# KiCad board Leopold Replacement.kicad_pcb (continued)
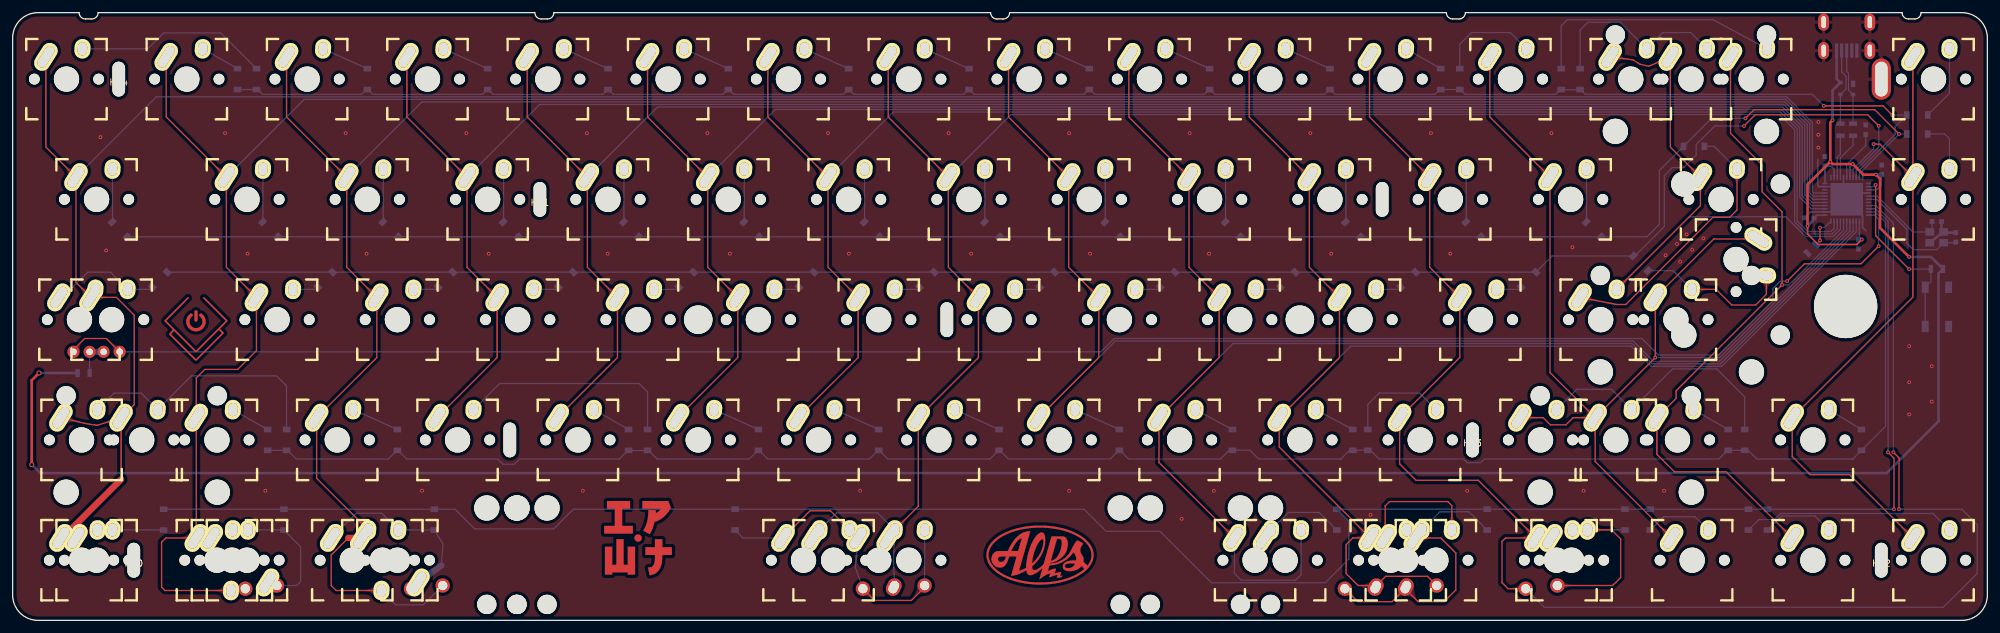
[diagram p0: board, top side]
## Routing (per net, layer and track width the routed paths; a pad name or vN(x,y) marks a point on that pad's centre or on a via; arc(x,y) is an arc through that point)
+5V: length 441.4
  Top w0.25: v1(283.56,62.34) 283.56,61.07 285.23,59.41 291.35,59.41 v1(292.13,60.19)
  Top w0.4: v2(4.16,39.09) 3.02,37.95 v2(3.02,24.61) ; v1(287.15,72.48) 287.51,72.12 v1(290.71,72.12) 292.39,70.45 v1(294.37,70.45) 295.02,69.8 295.02,62.03 v1(299.61,57.44) ; v1(287.15,72.48) 283.56,68.89 v1(283.56,62.34) ; v1(287.15,72.48) 287.15,78.68 v1(287.51,79.03)
  Bottom w0.25: v1(290.71,72.12) 290.25,71.66 U2.7 ; U2.2 287.75,71.32 287.28,71.8 286.52,71.8 ; v1(292.13,60.19) 291.47,60.19 ; U2.34 285.02,64.05 284.51,63.54 ; U2.24 291.75,60.21 ; U2.14 294.47,68.05 295.19,68.77 295.19,70.45 ; U2.44 286.31,71.79
  Bottom w0.4: v2(4.16,39.09) 9.94,39.09 ; v1(294.37,70.45) 295.19,70.45 ; v1(287.15,72.48) 286.39,71.72 ; v1(299.61,57.44) 303.06,57.44 R5.1 304.26,54.86 304.26,31.47 296.07,23.28 4.35,23.28 v2(3.02,24.61) ; J1.1 288.15,85.6 U1.4 287.51,83.76 v1(287.51,79.03) ; 284.6,63.38 v1(283.56,62.34)
GND: length 36.6
  Bottom w0.25: U2.15 290.75,67.55 U2.45 ; U2.45 287.75,68.55 U2.43 285.34,68.55 285.17,68.72 285.17,72.89 ; U2.45 289.25,67.05 U2.5 ; U2.45 287.75,64.55 U2.35 284,64.55 283.24,63.79 ; U2.45 292.25,64.05 U2.23 292.25,62.1 292.77,61.58
  Bottom w0.4: C2.2 305.17,61.29 ; C3.2 304.72,61.74 ; Y1.2 304.83,61.25
  vias: v1(13.88,76.37) v1(14.76,58.46) v1(33.56,77) v1(37.12,57.95) v1(39.91,20.49) v1(52.61,77) v1(55.91,57.95) v1(64.67,20.49) v1(71.66,77) v1(75.22,57.95) v1(90.08,20.49) v1(90.71,77) v1(94.01,57.95) v1(109.76,77) v1(113.32,57.95) v1(128.81,77) v1(132.11,57.95) v1(133.89,20.49) v1(147.86,77) v1(151.42,57.95) v1(166.91,77) v1(166.91,20.49) v1(170.21,57.95) v1(184.69,16.04) v1(185.96,77) v1(189.01,57.95) v1(189.77,20.49) v1(205.01,77) v1(208.31,57.95) v1(214.53,16.68) v1(224.06,77) v1(227.11,57.95) v1(229.78,20.49) v1(243.11,77) v1(246.41,58.97) v1(248.19,20.49) v1(260.89,20.49) v1(261.14,57.7) v1(262.92,59.47) v1(263.43,56.68) v1(264.45,61) v1(265.33,58.59) v1(267.11,60.36) v1(285.27,78.78) v1(285.27,76.75) v1(285.27,74.71) v1(297.06,71.92) v1(299.62,43.35) v1(299.62,37.63) v1(299.62,32.55) v1(303.18,40.17) v1(303.18,34.58)
Col0: length 393
  Top w0.2: 5.25,89.07 5.25,74.81 MX2.1 10,53.42 MX3.1 16.4,51.05 19.21,48.23 19.21,34.11 MX4.1 ; MX4.1 13.34,30.82 11.41,31.13 MX58.1 ; MX4.1 17.13,22.28
  Top w1: 17.13,22.28 7.88,13.03
  Bottom w0.2: U2.41 284.5,67.55 284.32,67.73 284.32,78.7 280.28,82.74 22.69,82.74 MX2.1
Col1: length 383.4
  Top w0.2: MX91.2 24.06,4.72 23.53,5.25 23.53,12.36 24.2,13.03 MX67.1 MX8.1 29.01,38.32 30.36,39.66 35.54,39.66 38.52,42.64 MX7.1 33.77,55.8 MX6.1 24.26,79.56 24.26,89.07
  Bottom w0.2: MX6.1 46.05,82.34 280.11,82.34 283.92,78.53 283.92,67.56 284.43,67.05 U2.40
Col2: length 370.2
  Top w0.2: MX93.2 51.11,4.72 50.32,5.5 50.32,10.33 53.02,13.03 ; MX68.2 48.02,22.45 MX12.1 57.53,41.54 MX11.1 52.77,55.8 MX10.1 43.27,79.56 43.27,89.07
  Top w1: 53.02,13.03 MX66.1
  Bottom w0.2: U2.39 284.37,66.55 283.52,67.39 283.52,78.37 279.95,81.94 64.66,81.94 MX10.1 ; MX93.2 60.53,2.45 64.88,2.45 MX92.1
Col3: length 299
  Top w0.2: 62.28,89.07 62.28,79.56 71.78,70.06 71.78,55.8 MX15.1 76.54,41.54 MX16.1
  Bottom w0.2: 71.78,70.06 83.27,81.54 279.78,81.54 283.12,78.2 283.12,67.23 284.3,66.05 U2.38
Col4: length 279.9
  Top w0.2: 81.29,89.07 81.29,79.56 MX18.1 90.8,55.8 MX19.1 95.55,41.54 MX20.1
  Bottom w0.2: U2.37 284.23,65.55 282.72,67.06 282.72,78.04 279.62,81.14 101.88,81.14 MX18.1
Col5: length 260.7
  Top w0.2: MX24.1 114.56,41.54 MX23.1 109.81,55.8 MX22.1 100.3,79.56 100.3,89.07
  Bottom w0.2: MX22.1 120.49,80.74 279.45,80.74 282.32,77.87 282.32,66.9 284.17,65.05 U2.36
Col6: length 247.8
  Top w0.2: 119.31,89.07 119.31,79.56 MX26.1 128.81,55.8 MX27.1 133.57,41.54 MX28.1
  Bottom w0.2: U2.32 287.75,61.96 287.26,61.47 283.59,61.47 281.92,63.13 281.92,77.7 279.29,80.34 139.1,80.34 MX26.1
Col7: length 271.5
  Top w0.2: MX86.2 143.07,18.03 MX32.1 152.58,41.54 MX31.1 147.82,55.8 147.82,70.06 138.32,79.56 138.32,89.07
  Bottom w0.2: U2.31 288.25,61.89 287.42,61.07 283.42,61.07 281.52,62.97 281.52,77.54 279.12,79.94 157.71,79.94 147.82,70.06 ; MX83.2 130.16,16.99 136.64,16.99 MX86.2 139.16,9.37 139.34,5.53 MX85.1
Col8: length 211.5
  Top w0.2: 157.33,89.07 157.33,79.56 MX34.1 166.84,55.8 MX35.1 171.59,41.54 MX36.1
  Bottom w0.2: U2.27 290.25,61.54 269.65,40.94 259.22,40.94 256.01,44.15 174.2,44.15 MX36.1
Col9: length 241
  Top w0.2: 176.34,89.07 176.34,79.56 MX38.1 185.84,55.8 MX39.1 190.6,41.54 MX40.1 181.09,24.96 MX77.1
  Bottom w0.2: MX40.1 192.81,43.75 255.85,43.75 259.06,40.54 269.82,40.54 290.75,61.48 U2.26 ; MX77.1 193.02,7.41 194.09,6.34 202.68,6.34 203.55,7.22 MX79.2
Col10: length 244.6
  Top w0.2: MX69.1 223.51,6.96 216.92,6.96 MX71.1 212.56,5.51 210.66,7.4 210.66,11.98 211.71,13.03 MX72.1 200.1,27.38 MX44.1 209.61,41.54 MX43.1 204.85,55.8 MX42.1 195.35,79.56 195.35,89.07 ; MX80.2 227.36,18.13 226.73,18.77 217.52,18.77 216.84,18.09 MX78.1
  Bottom w0.2: MX44.1 211.42,43.35 255.68,43.35 258.89,40.14 269.98,40.14 291.25,61.41 U2.25
Col11: length 263.3
  Top w0.2: MX70.2 236.24,5.01 235.3,5.94 235.3,12.48 235.84,13.03 MX84.1 231.54,22.14 221.71,22.14 219.11,24.73 MX48.1 228.62,41.54 MX47.1 223.87,55.8 MX46.1 214.36,79.56 214.36,89.07 ; v1(298.01,17.57) 298.01,25.68 v1(297.12,26.57)
  Bottom w0.2: v1(298.01,17.57) 307.94,17.57 310.36,15.15 310.36,7.4 305.02,2.07 241.96,2.07 MX70.2 ; U2.19 294.36,65.55 297.12,62.79 v1(297.12,26.57)
Col12: length 183.9
  Top w0.2: MX52.1 v1(259.51,41.54) MX51.1 268.75,60.29 MX64.1 ; MX52.1 246.52,32.04 245.39,30.9 242.94,30.9 241.8,32.04 MX89.1 ; MX52.1 242.88,39.16 MX50.1 233.37,79.56 233.37,89.07 ; MX52.1 250,25.11 MX74.1
  Bottom w0.2: U2.28 289.75,61.61 269.68,41.54 v1(259.51,41.54)
Col13: length 97.5
  Top w0.2: MX65.2 266.64,65.55 MX54.1 261.88,74.81 261.88,89.07 258.45,87.57 257.03,87.92 256.01,88.58 252.38,89.07
  Bottom w0.2: MX65.2 264.88,63.79 280.13,63.79 283.26,60.67 287.59,60.67 288.75,61.83 U2.30
Col14: length 116
  Top w0.2: 271.39,89.07 271.39,76.98 276.38,71.98 276.38,67.73 279.53,64.58 v1(279.53,53.02) 262.8,36.28 262.8,35.07 MX60.1 259.76,26.25 262.54,23.47 270.7,23.47 MX75.1
  Bottom w0.2: v1(279.53,53.02) 280.6,53.02 289.25,61.67 U2.29
Col15: length 110.4
  Top w0.2: v1(294,75.27) 294.99,75.27 MX62.1 ; MX76.1 290.2,23.03 284,23.03 281.14,25.88 MX56.1 300.2,51.1 MX62.1 ; 300.2,89.07 MX62.1
  Bottom w0.2: U2.8 290.75,71.3 294,74.55 v1(294,75.27)
D+: length 7.4
  Bottom w0.2: R3.1 290.75,75.1 288.75,73.1 U2.4
D-: length 6.8
  Bottom w0.2: R4.1 288.75,73.67 288.25,73.17 U2.3
Row0: length 285.8
  Top w0.2: v1(296.93,79.87) 295.49,81.32 v1(286.13,81.32)
  Bottom w0.2: v1(296.93,79.87) D61.1 297.4,78.03 297.4,76.82 291.75,71.17 U2.10 ; D5.1 38.76,83.9 39.51,83.14 55.14,83.14 56.01,84.01 56.88,83.14 74.24,83.14 75.06,83.96 75.88,83.14 93.24,83.14 94.06,83.96 94.88,83.14 112.24,83.14 113.06,83.96 113.88,83.14 131.24,83.14 132.05,83.96 132.87,83.14 150.24,83.14 151.06,83.96 151.88,83.14 169.24,83.14 170.11,84.01 170.98,83.14 188.29,83.14 189.11,83.96 189.93,83.14 207.29,83.14 208.11,83.96 208.93,83.14 224.66,83.14 225.43,83.91 228.68,83.91 229.45,83.14 243.76,83.14 244.48,83.86 247.73,83.86 248.45,83.14 284.31,83.14 v1(286.13,81.32)
Row1: length 305.4
  Top w0.2: v1(298.02,76.87) 294.18,80.72 275.12,80.72 v1(273.74,79.34)
  Bottom w0.2: v1(273.74,79.34) 268.39,79.34 D54.1 260.14,71.09 260.14,62.59 258.17,60.62 D2.1 ; D62.1 v1(298.02,76.87) 292.25,71.1 U2.11
Row2: length 296.7
  Top w0.2: v1(273.53,78.14) 275.31,79.92 293.05,79.92 v1(294.81,78.15)
  Bottom w0.2: D3.1 D47.1 243.21,57.59 D51.1 ; v1(294.81,78.15) 294.81,74.8 291.25,71.23 U2.9 ; 256.17,57.48 260.94,62.25 260.94,70.29 262.21,71.56 263.99,71.56 265.97,73.55 265.97,75.21 268.9,78.14 v1(273.53,78.14)
Row3: length 305.9
  Bottom w0.2: U2.21 294.23,64.55 295.88,62.89 295.88,30.67 D56.1 290.72,25.5 275.56,25.5 274.19,26.87 270.89,26.87 269.53,25.5 232.51,25.5 231.93,24.93 229.78,24.93 229.2,25.5 215.87,25.5 214.47,26.9 211.23,26.9 209.84,25.5 196.86,25.5 195.46,26.9 192.22,26.9 190.83,25.5 176.31,25.5 174.85,26.96 173.39,25.5 157.32,25.5 155.86,26.96 154.4,25.5 138.27,25.5 136.81,26.96 135.35,25.5 119.28,25.5 117.82,26.96 116.36,25.5 101.82,25.5 100.49,26.84 97.19,26.84 95.85,25.5 80.11,25.5 79.28,24.68 77.44,24.68 76.61,25.5 62.26,25.5 60.8,26.96 59.34,25.5 44.8,25.5 43.44,26.87 40.07,26.87
Row4: length 342.7
  Top w0.2: v1(297.21,17.56) 297.21,25.63 v1(296.28,26.56)
  Bottom w0.2: D59.1 69.88,17.56 72.99,14.45 85.47,14.45 88.58,17.56 169.26,17.56 172.75,14.07 181.26,14.07 189.39,5.94 207.36,5.94 211.11,9.69 211.11,15.65 D67.1 v1(297.21,17.56) ; v1(296.28,26.56) 296.28,63.06 294.29,65.05 U2.20
RST: length 29.5
  Top w0.2: v1(294.32,68.82) 294.32,60.8 v1(299.61,55.51)
  Bottom w0.2: v1(299.61,55.51) 302.9,55.51 ; R5.2 303.05,53.55 SW1.2 SW1.2 ; U2.13 294.05,68.55 v1(294.32,68.82)
Net-(C2-Pad1): length 18.6
  Bottom w0.2: 306.77,59.69 Y1.1 303.96,58.59 300.26,58.59 299.24,59.6 299.24,61.79 294.49,66.55 U2.17
Net-(C3-Pad1): length 13.3
  Bottom w0.2: Y1.3 300.21,61.39 294.55,67.05 U2.16 ; C3.1 303.22,61.74
Net-(C6-Pad1): length 8.1
  Bottom w0.2: C6.1 292.75,75.05 289.75,72.05 U2.6
Net-(D1-Pad2): length 30.9
  Bottom w0.2: D1.2 32.87,92.85 23.86,92.85 21.34,90.34 MX1.2
Net-(D2-Pad2): length 8.3
  Bottom w0.2: MX2.2 15.78,63.03
Net-(D3-Pad2): length 17
  Bottom w0.2: 22.08,52.32 MX3.2 15.44,55.03 11.86,55.03 7.88,51.05
Net-(D4-Pad2): length 41.8
  Bottom w0.2: MX58.2 16.01,35.92 20.3,35.92 MX4.2 28.25,38.65 41.69,38.65 43.27,37.06 D4.2
Net-(D5-Pad2): length 6.3
  Bottom w0.2: 30.03,90.34 D5.2
Net-(D6-Pad2): length 8.3
  Bottom w0.2: MX6.2 39.54,63.04
Net-(D7-Pad2): length 4.1
  Bottom w0.2: MX7.2 48.36,52.32
Net-(D8-Pad2): length 6.3
  Bottom w0.2: MX8.2 D8.2
Net-(D9-Pad2): length 7.7
  Bottom w0.2: D9.2 MX9.2
Net-(D10-Pad2): length 8.2
  Bottom w0.2: MX10.2 58.55,63.13
Net-(D11-Pad2): length 3.9
  Bottom w0.2: MX11.2 67.19,52.32
Net-(D12-Pad2): length 7.7
  Bottom w0.2: D12.2 MX12.2
Net-(D13-Pad2): length 7.7
  Bottom w0.2: D13.2 68.06,90.34
Net-(D14-Pad2): length 8.2
  Bottom w0.2: MX14.2 77.56,63.09
Net-(D15-Pad2): length 4.1
  Bottom w0.2: MX15.2 86.39,52.32
Net-(D16-Pad2): length 35.7
  Bottom w0.2: D16.2 100.3,36.1 98.97,37.44 76.94,37.44 MX16.2
Net-(D17-Pad2): length 7.7
  Bottom w0.2: D17.2 MX17.2
Net-(D18-Pad2): length 8
  Bottom w0.2: MX18.2 96.57,63.3
Net-(D19-Pad2): length 4
  Bottom w0.2: MX19.2 105.36,52.32
Net-(D20-Pad2): length 6.3
  Bottom w0.2: D20.2 MX20.2
Net-(D21-Pad2): length 7.7
  Bottom w0.2: D21.2 MX21.2
Net-(D22-Pad2): length 8.3
  Bottom w0.2: MX22.2 115.58,63.01
Net-(D23-Pad2): length 4.1
  Bottom w0.2: MX23.2 124.39,52.32
Net-(D24-Pad2): length 7.7
  Bottom w0.2: D24.2 MX24.2
Net-(D25-Pad2): length 7.7
  Bottom w0.2: D25.2 MX25.2
Net-(D26-Pad2): length 8.2
  Bottom w0.2: MX26.2 134.59,63.1
Net-(D27-Pad2): length 4
  Bottom w0.2: MX27.2 143.34,52.32
Net-(D28-Pad2): length 7.7
  Bottom w0.2: D28.2 MX28.2
Net-(D29-Pad2): length 7.7
  Bottom w0.2: D29.2 MX29.2
Net-(D30-Pad2): length 8
  Bottom w0.2: MX30.2 153.6,63.31
Net-(D31-Pad2): length 4.1
  Bottom w0.2: MX31.2 162.49,52.32
Net-(D32-Pad2): length 7.7
  Bottom w0.2: D32.2 MX32.2
Net-(D33-Pad2): length 7.7
  Bottom w0.2: D33.2 163.1,90.34
Net-(D34-Pad2): length 8.2
  Bottom w0.2: MX34.2 172.61,63.14
Net-(D35-Pad2): length 4
  Bottom w0.2: MX35.2 181.38,52.32
Net-(D36-Pad2): length 7.7
  Bottom w0.2: D36.2 MX36.2
Net-(D37-Pad2): length 7.7
  Bottom w0.2: D37.2 MX37.2
Net-(D38-Pad2): length 8.2
  Bottom w0.2: MX38.2 191.62,63.1
Net-(D39-Pad2): length 4
  Bottom w0.2: MX39.2 200.33,52.32
Net-(D40-Pad2): length 6.6
  Bottom w0.2: 192.67,30.17 MX40.2
Net-(D41-Pad2): length 7.7
  Bottom w0.2: D41.2 MX41.2
Net-(D42-Pad2): length 8.1
  Bottom w0.2: MX42.2 210.63,63.19
Net-(D43-Pad2): length 4.1
  Bottom w0.2: MX43.2 219.48,52.32
Net-(D44-Pad2): length 6.6
  Bottom w0.2: D44.2 MX44.2
Net-(D45-Pad2): length 6.3
  Bottom w0.2: MX45.2 D45.2
Net-(D46-Pad2): length 8
  Bottom w0.2: MX46.2 229.64,63.28
Net-(D47-Pad2): length 4.1
  Bottom w0.2: MX47.2 238.53,52.32
Net-(D48-Pad2): length 16.6
  Bottom w0.2: D48.2 214.1,34.14 215.88,35.92 222.27,35.92 MX48.2
Net-(D49-Pad2): length 16.2
  Bottom w0.2: MX49.2 236.58,92.9 230.46,92.9 228.62,91.06 D49.2
Net-(D50-Pad2): length 8.3
  Bottom w0.2: MX50.2 248.65,62.98
Net-(D51-Pad2): length 24.6
  Top w0.2: MX51.2 269.12,52.32 271.58,49.85 275.37,49.85 277.06,51.54 MX64.2
  Bottom w0.2: MX51.2 262.34,55.26 D51.2
Net-(D52-Pad2): length 42.1
  Bottom w0.2: D52.2 273.63,35.33 269.22,39.74 262.21,39.74 MX52.2 252.57,36.52 247.11,36.52 MX89.2
Net-(D53-Pad2): length 30.5
  Bottom w0.2: 247.63,87.16 247.63,93.31 248.85,94.53 253.96,94.53 MX53.2 260.72,92.9 265.09,92.9 MX63.2
Net-(D54-Pad2): length 44.2
  Top w0.2: MX65.1 253.37,49.92 254.84,49.92 268.61,63.69 271.25,63.69 272.41,64.85 MX54.2
  Bottom w0.2: MX54.2 268.82,74.92 D54.2
Net-(D55-Pad1): length 303.6
  Top w0.2: v1(280.34,53.62) 283.08,56.36 292.02,56.36 v1(294.8,59.14) ; D55.1 14.8,44.55 11.39,44.55 9.28,42.45
  Bottom w0.2: v1(280.34,53.62) 279.25,53.62 278.07,52.44 278.07,50.49 269.53,41.95 259.99,41.95 257.39,44.55 174.03,44.55 171.93,42.45 D55.1 ; v1(294.8,59.14) 294.8,63.41 294.16,64.05 U2.22
Net-(D55-Pad2): length 5.4
  Bottom w0.2: D71.2 12.15,39.23
  Bottom w1: D71.2 D55.2
Net-(D56-Pad2): length 6
  Bottom w0.2: D56.2 MX56.2
Net-(D57-Pad2): length 40.9
  Bottom w0.2: D57.2 244.63,93.96 245.59,94.93 268.67,94.93 MX57.2
Net-(D58-Pad2): length 6.3
  Bottom w0.2: D58.2 MX60.2
Net-(D59-Pad2): length 8.2
  Bottom w0.2: MX88.2 23.94,14.3
Net-(D60-Pad2): length 18.5
  Bottom w0.2: D60.2 45.5,11.62 45.5,6.13 44.87,5.51 MX90.1 ; MX59.2 42.48,14.3
Net-(D61-Pad2): length 11.9
  Bottom w0.2: D61.2 305.98,83.31 MX61.2
Net-(D62-Pad2): length 8.5
  Bottom w0.2: MX62.2 305.98,76.11 305.21,76.87 D62.2
Net-(D63-Pad2): length 29
  Bottom w0.2: 67.72,8.67 67.98,12.1 D63.2 ; MX68.1 54.3,16.93 58.29,16.93 MX66.2 66.17,14.3
  Bottom w1: MX93.1 67.72,8.67
Net-(D64-Pad2): length 10.9
  Bottom w0.2: MX74.2 265.8,16.36 260.81,16.36 D64.2
Net-(D65-Pad2): length 11.5
  Bottom w0.2: D65.2 279.45,16.48 284.73,16.48 MX75.2
Net-(D66-Pad2): length 33.9
  Bottom w0.2: MX76.2 303.39,16.88 279.28,16.88 278.33,15.93 275.9,15.93 D66.2
Net-(D67-Pad2): length 12.7
  Bottom w0.2: MX77.2 201.56,17.06 206.4,17.06 D67.2
Net-(D68-Pad2): length 46.8
  Top w0.2: MX71.2 212.51,2.96 217.92,2.96 MX69.2 222.01,2.96 226.16,2.96 228,4.8 228,10.64 225.61,13.03 MX80.1
  Bottom w0.2: D68.2 230.05,17.16 225.48,17.16 MX78.2
Net-(D69-Pad2): length 28.3
  Top w0.2: MX70.1 252.77,5.51 254.03,6.77 254.03,12.87 252.6,14.3 MX81.2
  Bottom w0.2: MX81.2 254.7,14.3
Net-(D70-Pad2): length 49.7
  Top w0.2: MX85.2 136.18,3.15 141.97,3.15 143.83,5.01 ; MX82.2 129.2,17.31 125.97,17.31 MX83.1
  Bottom w0.2: MX85.2 133.13,8.39 MX86.1 ; MX94.2 MX73.1 ; MX83.1 115.38,13.03 D70.2
Net-(J1-Pad2): length 12.1
  Bottom w0.2: J1.2 288.95,86.7 289.64,86.01 289.64,83.99 U1.3 ; 288.75,83.02 R4.2
Net-(J1-Pad3): length 12.1
  Bottom w0.2: J1.3 289.75,86.75 290.04,86.46 290.04,83.81 U1.2 ; 290.75,83.21 R3.2
Net-(R6-Pad2): length 5.1
  Top w0.2: v1(285.53,60.03) v1(285.53,62.07)
  Bottom w0.2: R6.2 v1(285.53,60.03) ; v1(285.53,62.07) 286.2,62.07 U2.33

## Copper pours and planes (outline as drawn; the poured copper is in the pictures)
GND on Top: 325.86,-11.29 -7.49,-11.29 -7.49,100.11 325.86,100.11
GND on Bottom: 325.86,-11.29 -7.49,-11.29 -7.49,100.11 325.86,100.11
Col0 on Top: 5.35,86.29 6.12,88.17 5.25,89.69 4.38,88.17 5.15,86.29
Col0 on Top: 15.16,51.15 13.27,51.92 11.75,51.05 13.27,50.17 15.16,50.95
Col0 on Top: 19.02,34.07 17.14,33.29 16.69,31.59 18.38,32.05 19.17,33.93
Col0 on Top: 17.23,29.26 18.01,31.14 17.13,32.66 16.26,31.14 17.03,29.26
Col0 on Top: 9.29,15.15 7.64,14.28 7.18,12.58 8.88,13.04 10,14.44
Col0 on Top: 10.35,31.49 8.7,32.68 7.02,32.18 8.29,30.98 10.3,31.29
Col0 on Top: 14.52,31.09 16.55,30.93 17.73,32.23 16.01,32.6 14.46,31.28
Col0 on Top: 10.1,67.28 10.88,69.16 10,70.68 9.13,69.16 9.9,67.28
Col0 on Top: 10.34,52.94 11.13,51.06 12.82,50.6 12.37,52.3 10.49,53.08
Col0 on Top: 7.97,71.95 8.75,70.07 10.44,69.61 9.99,71.31 8.11,72.09
Col0 on Bottom: 11.89,72.09 10.02,71.31 9.56,69.61 11.25,70.07 12.04,71.95
Col1 on Top: 26.24,12.93 28.12,12.15 29.64,13.03 28.12,13.9 26.24,13.13
Col1 on Top: 31.72,4.62 33.61,3.84 35.12,4.72 33.61,5.59 31.72,4.82
Col1 on Top: 29.11,29.26 29.89,31.14 29.01,32.66 28.14,31.14 28.91,29.26
Col1 on Top: 28.91,15.8 28.14,13.92 29.01,12.4 29.89,13.92 29.11,15.8
Col1 on Top: 28.91,34.81 28.14,32.93 29.01,31.41 29.89,32.93 29.11,34.81
Col1 on Top: 38.62,48.27 39.39,50.15 38.52,51.67 37.64,50.15 38.42,48.27
Col1 on Top: 33.87,67.28 34.64,69.16 33.77,70.68 32.89,69.16 33.66,67.28
Col1 on Top: 36.48,52.94 37.27,51.06 38.96,50.6 38.51,52.3 36.63,53.08
Col1 on Top: 24.36,86.29 25.14,88.17 24.26,89.69 23.39,88.17 24.16,86.29
Col1 on Top: 31.73,71.95 32.52,70.07 34.21,69.61 33.75,71.31 31.87,72.09
Col1 on Bottom: 35.66,72.09 33.78,71.31 33.32,69.61 35.01,70.07 35.8,71.95
Col2 on Top: 55.49,4.62 57.37,3.84 58.89,4.72 57.37,5.59 55.49,4.82
Col2 on Top: 48.12,29.26 48.9,31.14 48.02,32.66 47.15,31.14 47.92,29.26
Col2 on Top: 54.14,16.19 54.92,14.31 56.62,13.85 56.16,15.55 54.28,16.33
Col2 on Top: 57.63,48.27 58.4,50.15 57.53,51.67 56.65,50.15 57.43,48.27
Col2 on Top: 49.91,34.07 48.03,33.29 47.58,31.59 49.27,32.05 50.06,33.93
Col2 on Top: 52.88,67.28 53.65,69.16 52.77,70.68 51.9,69.16 52.67,67.28
Col2 on Top: 55.49,52.94 56.28,51.06 57.97,50.6 57.52,52.3 55.64,53.08
Col2 on Top: 43.37,86.29 44.15,88.17 43.27,89.69 42.4,88.17 43.17,86.29
Col2 on Top: 50.74,71.95 51.53,70.07 53.22,69.61 52.76,71.31 50.88,72.09
Col2 on Bottom: 60.3,2.82 59.51,4.7 57.82,5.16 58.27,3.47 60.15,2.68
Col2 on Bottom: 66.26,3.68 67.92,4.38 68.33,5.9 66.81,5.49 66.11,3.83
Col2 on Bottom: 54.67,72.09 52.79,71.31 52.33,69.61 54.02,70.07 54.81,71.95
Col3 on Top: 62.38,86.29 63.16,88.17 62.28,89.69 61.41,88.17 62.18,86.29
Col3 on Top: 69.75,71.95 70.54,70.07 72.23,69.61 71.77,71.31 69.89,72.09
Col3 on Top: 76.64,48.27 77.41,50.15 76.54,51.67 75.66,50.15 76.44,48.27
Col3 on Top: 68.92,34.07 67.05,33.29 66.59,31.59 68.28,32.05 69.07,33.93
Col3 on Top: 71.89,67.28 72.66,69.16 71.78,70.68 70.91,69.16 71.69,67.28
Col3 on Top: 74.5,52.94 75.29,51.06 76.98,50.6 76.53,52.3 74.65,53.08
Col3 on Bottom: 73.68,72.09 71.8,71.31 71.34,69.61 73.03,70.07 73.82,71.95
Col4 on Top: 95.65,48.27 96.42,50.15 95.55,51.67 94.67,50.15 95.45,48.27
Col4 on Top: 87.93,34.07 86.06,33.29 85.6,31.59 87.29,32.05 88.08,33.93
Col4 on Top: 90.89,67.28 91.67,69.16 90.8,70.68 89.92,69.16 90.69,67.28
Col4 on Top: 93.51,52.94 94.3,51.06 95.99,50.6 95.53,52.3 93.66,53.08
Col4 on Top: 81.39,86.29 82.17,88.17 81.29,89.69 80.42,88.17 81.19,86.29
Col4 on Top: 88.76,71.95 89.55,70.07 91.24,69.61 90.78,71.31 88.9,72.09
Col4 on Bottom: 92.69,72.09 90.81,71.31 90.35,69.61 92.04,70.07 92.83,71.95
Col5 on Top: 100.4,86.29 101.17,88.17 100.3,89.69 99.42,88.17 100.2,86.29
Col5 on Top: 107.77,71.95 108.56,70.07 110.25,69.61 109.79,71.31 107.91,72.09
Col5 on Top: 114.66,48.27 115.43,50.15 114.56,51.67 113.68,50.15 114.46,48.27
Col5 on Top: 106.94,34.07 105.06,33.29 104.61,31.59 106.3,32.05 107.09,33.93
Col5 on Top: 109.91,67.28 110.68,69.16 109.81,70.68 108.93,69.16 109.7,67.28
Col5 on Top: 112.52,52.94 113.31,51.06 115,50.6 114.55,52.3 112.67,53.08
Col5 on Bottom: 111.7,72.09 109.82,71.31 109.36,69.61 111.05,70.07 111.84,71.95
Col6 on Top: 119.41,86.29 120.19,88.17 119.31,89.69 118.44,88.17 119.21,86.29
Col6 on Top: 126.78,71.95 127.57,70.07 129.26,69.61 128.8,71.31 126.92,72.09
Col6 on Top: 128.91,67.28 129.69,69.16 128.81,70.68 127.94,69.16 128.72,67.28
Col6 on Top: 131.53,52.94 132.32,51.06 134.01,50.6 133.56,52.3 131.68,53.08
Col6 on Top: 133.67,48.27 134.44,50.15 133.57,51.67 132.69,50.15 133.47,48.27
Col6 on Top: 125.95,34.07 124.08,33.29 123.62,31.59 125.31,32.05 126.1,33.93
Col6 on Bottom: 130.71,72.09 128.83,71.31 128.37,69.61 130.06,70.07 130.85,71.95
Col7 on Top: 143.17,29.26 143.95,31.14 143.07,32.66 142.2,31.14 142.97,29.26
Col7 on Top: 141.23,16.33 139.35,15.55 138.9,13.85 140.59,14.31 141.38,16.19
Col7 on Top: 152.68,48.27 153.45,50.15 152.58,51.67 151.7,50.15 152.48,48.27
Col7 on Top: 144.96,34.07 143.09,33.29 142.63,31.59 144.32,32.05 145.11,33.93
Col7 on Top: 147.93,67.28 148.7,69.16 147.82,70.68 146.95,69.16 147.72,67.28
Col7 on Top: 150.54,52.94 151.33,51.06 153.02,50.6 152.56,52.3 150.69,53.08
Col7 on Top: 138.42,86.29 139.19,88.17 138.32,89.69 137.44,88.17 138.22,86.29
Col7 on Top: 145.79,71.95 146.58,70.07 148.27,69.61 147.81,71.31 145.93,72.09
Col7 on Bottom: 139.34,11.52 140.18,13.37 139.37,14.92 138.43,13.44 139.14,11.52
Col7 on Bottom: 139.13,7.99 138.25,5.77 139.1,4.44 139.82,5.84 139.33,8
Col7 on Bottom: 139.13,7.99 138.5,6.27 139.35,4.94 140.07,6.34 139.33,8
Col7 on Bottom: 137.31,16.19 138.09,14.31 139.78,13.85 139.33,15.55 137.45,16.33
Col7 on Bottom: 129.35,16.33 127.47,15.55 127.02,13.85 128.71,14.31 129.49,16.19
Col7 on Bottom: 149.72,72.09 147.84,71.31 147.38,69.61 149.07,70.07 149.86,71.95
Col8 on Top: 171.69,48.27 172.46,50.15 171.59,51.67 170.71,50.15 171.49,48.27
Col8 on Top: 163.97,34.07 162.09,33.29 161.64,31.59 163.33,32.05 164.12,33.93
Col8 on Top: 166.94,67.28 167.71,69.16 166.84,70.68 165.96,69.16 166.74,67.28
Col8 on Top: 169.55,52.94 170.34,51.06 172.03,50.6 171.57,52.3 169.7,53.08
Col8 on Top: 157.43,86.29 158.21,88.17 157.33,89.69 156.46,88.17 157.23,86.29
Col8 on Top: 164.8,71.95 165.59,70.07 167.28,69.61 166.82,71.31 164.94,72.09
Col8 on Bottom: 163.97,34.07 162.09,33.29 161.64,31.59 163.33,32.05 164.12,33.93
Col9 on Top: 181.19,29.26 181.97,31.14 181.09,32.66 180.22,31.14 180.99,29.26
Col9 on Top: 190.99,14.92 191.77,13.04 193.47,12.58 193.01,14.28 191.13,15.06
Col9 on Top: 190.7,48.27 191.47,50.15 190.6,51.67 189.72,50.15 190.5,48.27
Col9 on Top: 182.98,34.07 181.1,33.29 180.65,31.59 182.34,32.05 183.13,33.93
Col9 on Top: 185.94,67.28 186.72,69.16 185.84,70.68 184.97,69.16 185.75,67.28
Col9 on Top: 188.56,52.94 189.35,51.06 191.04,50.6 190.59,52.3 188.71,53.08
Col9 on Top: 176.44,86.29 177.22,88.17 176.34,89.69 175.47,88.17 176.24,86.29
Col9 on Top: 183.81,71.95 184.6,70.07 186.29,69.61 185.83,71.31 183.95,72.09
Col9 on Bottom: 203.65,11.52 204.43,13.4 203.55,14.92 202.68,13.4 203.45,11.52
Col9 on Bottom: 193.12,10.25 193.9,12.13 193.02,13.65 192.15,12.13 192.92,10.25
Col9 on Bottom: 182.98,34.07 181.1,33.29 180.65,31.59 182.34,32.05 183.13,33.93
Col10 on Top: 211.71,12.93 213.57,12.15 215.08,13.03 213.57,13.9 211.71,13.13
Col10 on Top: 212.99,5.41 214.66,4.72 216.02,5.51 214.66,6.29 212.99,5.61
Col10 on Top: 212.99,5.41 214.41,4.22 215.78,5.01 214.41,5.79 212.99,5.61
Col10 on Top: 216.74,15.8 215.96,13.92 216.84,12.4 217.71,13.92 216.94,15.8
Col10 on Top: 227.26,17.07 226.49,15.19 227.36,13.67 228.24,15.19 227.46,17.07
Col10 on Top: 200.2,29.26 200.98,31.14 200.1,32.66 199.23,31.14 200,29.26
Col10 on Top: 212.43,14.92 213.21,13.04 214.9,12.58 214.45,14.28 212.57,15.06
Col10 on Top: 209.71,48.27 210.48,50.15 209.61,51.67 208.73,50.15 209.51,48.27
Col10 on Top: 201.99,34.07 200.12,33.29 199.66,31.59 201.35,32.05 202.14,33.93
Col10 on Top: 204.96,67.28 205.73,69.16 204.85,70.68 203.98,69.16 204.75,67.28
Col10 on Top: 207.57,52.94 208.36,51.06 210.05,50.6 209.59,52.3 207.72,53.08
Col10 on Top: 195.45,86.29 196.22,88.17 195.35,89.69 194.47,88.17 195.25,86.29
Col10 on Top: 202.82,71.95 203.61,70.07 205.3,69.61 204.84,71.31 202.96,72.09
Col10 on Bottom: 201.99,34.07 200.12,33.29 199.66,31.59 201.35,32.05 202.14,33.93
Col11 on Top: 237.87,12.93 239.76,12.15 241.27,13.03 239.76,13.9 237.87,13.13
Col11 on Top: 236.55,4.91 238.22,4.22 239.59,5.01 238.22,5.79 236.55,5.11
Col11 on Top: 238.62,14.92 239.4,13.04 241.09,12.58 240.64,14.28 238.76,15.06
Col11 on Top: 219.21,29.26 219.99,31.14 219.11,32.66 218.24,31.14 219.01,29.26
Col11 on Top: 228.72,48.27 229.49,50.15 228.62,51.67 227.74,50.15 228.52,48.27
Col11 on Top: 221,34.07 219.12,33.29 218.67,31.59 220.36,32.05 221.15,33.93
Col11 on Top: 223.97,67.28 224.74,69.16 223.87,70.68 222.99,69.16 223.76,67.28
Col11 on Top: 226.58,52.94 227.37,51.06 229.06,50.6 228.6,52.3 226.73,53.08
Col11 on Top: 214.46,86.29 215.24,88.17 214.36,89.69 213.49,88.17 214.26,86.29
Col11 on Top: 221.83,71.95 222.62,70.07 224.31,69.61 223.85,71.31 221.97,72.09
Col11 on Bottom: 240.85,3.33 240.15,4.99 238.63,5.4 239.04,3.88 240.71,3.18
Col12 on Top: 247.23,31.94 249.11,31.16 250.63,32.04 249.11,32.91 247.23,32.14
Col12 on Top: 240.9,32.14 239.02,32.91 237.5,32.04 239.02,31.16 240.9,31.94
Col12 on Top: 250.1,29.26 250.88,31.14 250,32.66 249.13,31.14 249.9,29.26
Col12 on Top: 260.05,14.92 260.84,13.04 262.53,12.58 262.07,14.28 260.19,15.06
Col12 on Top: 273.01,60.19 274.9,59.41 276.41,60.29 274.9,61.16 273.01,60.39
Col12 on Top: 261.4,53.08 259.52,52.3 259.07,50.6 260.76,51.06 261.54,52.94
Col12 on Top: 251.9,34.07 250.02,33.29 249.56,31.59 251.25,32.05 252.04,33.93
Col12 on Top: 242.97,67.28 243.75,69.16 242.88,70.68 242,69.16 242.78,67.28
Col12 on Top: 247.97,33.93 248.75,32.05 250.45,31.59 249.99,33.29 248.11,34.07
Col12 on Top: 259.61,48.27 260.38,50.15 259.51,51.67 258.63,50.15 259.41,48.27
Col12 on Top: 233.47,86.29 234.25,88.17 233.37,89.69 232.5,88.17 233.27,86.29
Col12 on Top: 240.84,71.95 241.63,70.07 243.32,69.61 242.86,71.31 240.98,72.09
Col13 on Top: 266.74,67.28 267.51,69.16 266.64,70.68 265.76,69.16 266.54,67.28
Col13 on Top: 255.29,54.35 253.41,53.57 252.96,51.87 254.65,52.33 255.44,54.21
Col13 on Top: 261.99,86.29 262.76,88.17 261.88,89.69 261.01,88.17 261.79,86.29
Col13 on Top: 264.6,71.95 265.39,70.07 267.08,69.61 266.62,71.31 264.74,72.09
Col13 on Top: 255.15,88.8 253.38,89.82 251.76,89.15 253.15,88.08 255.12,88.6
Col13 on Top: 259.38,87.86 261.42,87.91 262.46,89.32 260.72,89.51 259.3,88.05
Col13 on Bottom: 255.29,54.35 253.41,53.57 252.96,51.87 254.65,52.33 255.44,54.21
Col14 on Top: 279.11,14.92 279.9,13.04 281.59,12.58 281.13,14.28 279.25,15.06
Col14 on Top: 259.86,29.26 260.63,31.14 259.76,32.66 258.88,31.14 259.66,29.26
Col14 on Top: 261.65,34.07 259.77,33.29 259.32,31.59 261.01,32.05 261.79,33.93
Col14 on Top: 271.49,86.29 272.26,88.17 271.39,89.69 270.51,88.17 271.29,86.29
Col15 on Top: 298.17,71.95 298.96,70.07 300.65,69.61 300.19,71.31 298.31,72.09
Col15 on Top: 281.25,29.26 282.02,31.14 281.14,32.66 280.27,31.14 281.05,29.26
Col15 on Top: 298.17,14.92 298.96,13.04 300.65,12.58 300.19,14.28 298.31,15.06
Col15 on Top: 300.31,86.29 301.08,88.17 300.2,89.69 299.33,88.17 300.11,86.29
Col15 on Top: 300.11,72.83 299.33,70.95 300.2,69.43 301.08,70.95 300.31,72.83
Col15 on Top: 300.31,67.28 301.08,69.16 300.2,70.68 299.33,69.16 300.11,67.28
Col15 on Top: 283.04,34.07 281.16,33.29 280.7,31.59 282.39,32.05 283.18,33.93
Net-(D1-Pad2) on Bottom: 13.8,90.44 11.92,91.21 10.4,90.34 11.92,89.46 13.8,90.24
Net-(D2-Pad2) on Bottom: 15.88,68.55 16.65,70.43 15.78,71.95 14.9,70.43 15.68,68.55
Net-(D3-Pad2) on Bottom: 16.12,54.21 16.9,52.33 18.6,51.87 18.14,53.57 16.26,54.35
Net-(D3-Pad2) on Bottom: 9.77,53.08 7.31,52.3 6.86,50.6 8.55,51.06 9.91,52.94
Net-(D3-Pad2) on Bottom: 20.93,52.42 19.05,53.19 17.53,52.32 19.05,51.44 20.93,52.22
Net-(D4-Pad2) on Bottom: 24.8,35.34 22.92,34.56 22.46,32.86 24.16,33.32 24.94,35.2
Net-(D4-Pad2) on Bottom: 15.29,35.34 13.41,34.56 12.96,32.86 14.65,33.32 15.44,35.2
Net-(D4-Pad2) on Bottom: 20.87,35.2 21.66,33.32 23.35,32.86 22.89,34.56 21.01,35.34
Net-(D5-Pad2) on Bottom: 32.49,89.04 31.24,90.65 29.49,90.65 30.37,89.13 32.39,88.87
Net-(D6-Pad2) on Bottom: 39.64,68.55 40.41,70.43 39.54,71.95 38.66,70.43 39.44,68.55
Net-(D7-Pad2) on Bottom: 47.07,52.42 45.19,53.19 43.67,52.32 45.19,51.44 47.07,52.22
Net-(D8-Pad2) on Bottom: 37.25,32.01 36,33.62 34.25,33.62 35.13,32.1 37.15,31.84
Net-(D9-Pad2) on Bottom: 51.62,89.29 50.22,90.77 48.47,90.59 49.5,89.17 51.54,89.11
Net-(D10-Pad2) on Bottom: 58.65,68.55 59.42,70.43 58.55,71.95 57.67,70.43 58.45,68.55
Net-(D11-Pad2) on Bottom: 66.08,52.42 64.2,53.19 62.68,52.32 64.2,51.44 66.08,52.22
Net-(D12-Pad2) on Bottom: 56.37,32.26 54.97,33.74 53.23,33.56 54.25,32.14 56.29,32.08
Net-(D13-Pad2) on Bottom: 70.63,89.29 69.23,90.77 67.48,90.59 68.51,89.17 70.55,89.11
Net-(D14-Pad2) on Bottom: 77.66,68.55 78.44,70.43 77.56,71.95 76.69,70.43 77.46,68.55
Net-(D15-Pad2) on Bottom: 85.09,52.42 83.21,53.19 81.69,52.32 83.21,51.44 85.09,52.22
Net-(D16-Pad2) on Bottom: 74.7,35.34 72.82,34.56 72.37,32.86 74.06,33.32 74.84,35.2
Net-(D17-Pad2) on Bottom: 89.64,89.29 88.24,90.77 86.49,90.59 87.52,89.17 89.56,89.11
Net-(D18-Pad2) on Bottom: 96.67,68.55 97.44,70.43 96.57,71.95 95.69,70.43 96.47,68.55
Net-(D19-Pad2) on Bottom: 104.1,52.42 102.22,53.19 100.7,52.32 102.22,51.44 104.1,52.22
Net-(D20-Pad2) on Bottom: 94.28,32.01 93.03,33.62 91.28,33.62 92.16,32.1 94.18,31.84
Net-(D21-Pad2) on Bottom: 108.65,89.29 107.25,90.77 105.5,90.59 106.53,89.17 108.57,89.11
Net-(D22-Pad2) on Bottom: 115.68,68.55 116.45,70.43 115.58,71.95 114.7,70.43 115.48,68.55
Net-(D23-Pad2) on Bottom: 123.11,52.42 121.23,53.19 119.71,52.32 121.23,51.44 123.11,52.22
Net-(D24-Pad2) on Bottom: 113.4,32.26 112,33.74 110.26,33.56 111.28,32.14 113.32,32.08
Net-(D25-Pad2) on Bottom: 127.66,89.29 126.26,90.77 124.51,90.59 125.54,89.17 127.58,89.11
Net-(D26-Pad2) on Bottom: 134.69,68.55 135.47,70.43 134.59,71.95 133.72,70.43 134.49,68.55
Net-(D27-Pad2) on Bottom: 142.12,52.42 140.24,53.19 138.72,52.32 140.24,51.44 142.12,52.22
Net-(D28-Pad2) on Bottom: 132.41,32.26 131.01,33.74 129.27,33.56 130.29,32.14 132.33,32.08
